# Altium PCB STM32F207VC_Mini.PcbDoc
Units mm, origin at the board's own origin, x right, y up, seen from the top; angles counter-clockwise.
Board outline 70 x 86 mm, 2 copper layers (Top Layer, Bottom Layer); 59 components, 106 nets, 318 pads, 47 vias.
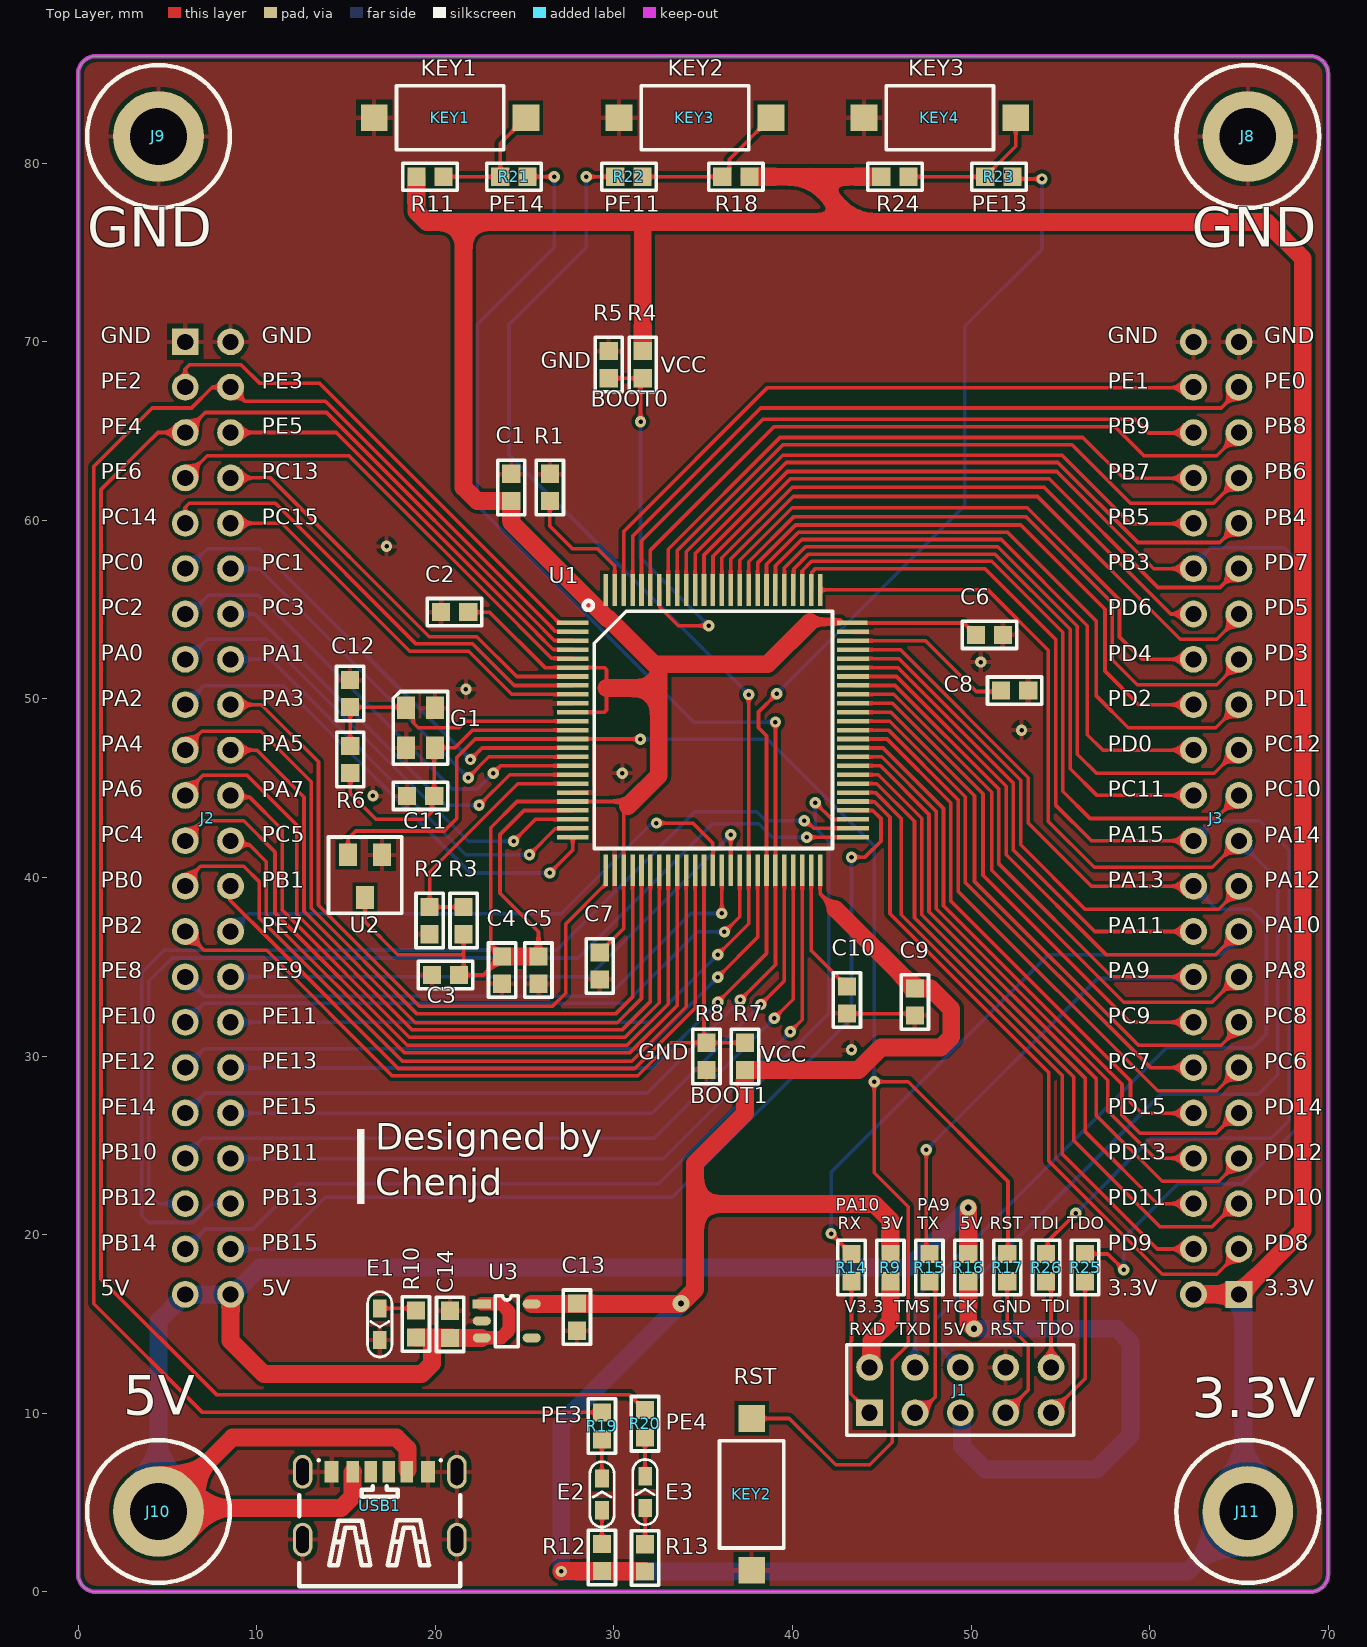
[diagram p0: Top Layer view]
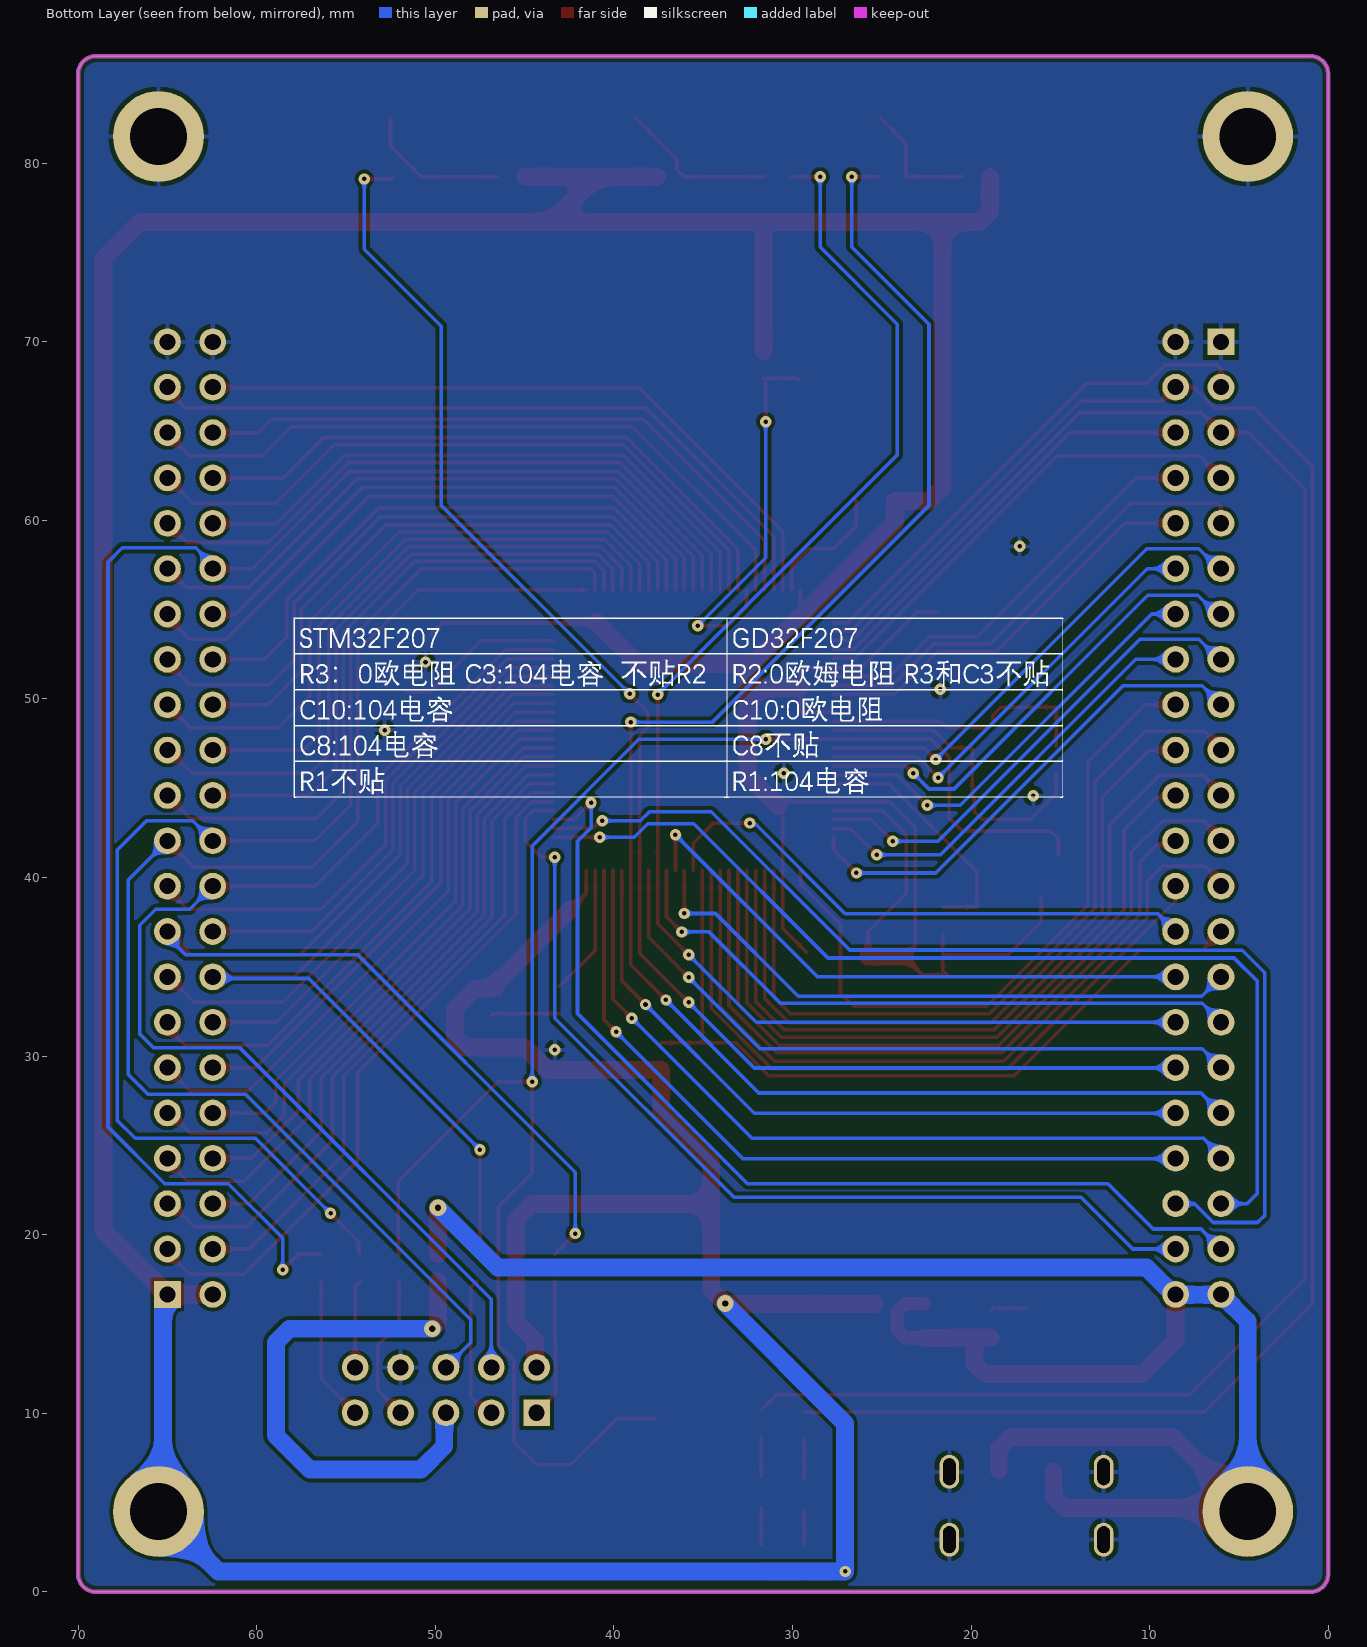
[diagram p1: Bottom Layer view, seen from below]

## Layer stack, top to bottom
Top Solder: solder mask 0.0102, Solder Resist, Dk 3.5
Top Layer: signal copper 0.0356
Dielectric 1: dielectric 0.32, FR-4, Dk 4.8
Bottom Layer: signal copper 0.0356
Bottom Solder: solder mask 0.0102, Solder Resist, Dk 3.5

## Board outline
0,1 0,85 cw(c1,85) 1,86 69,86 cw(c69,85) 70,85 70,1 cw(c69,1) 69,0 1,0 cw(c1,1)

## Design rules (kind name [scope] priority, off if disabled: settings)
Clearance [All] p1: gap=0.203 ignorepadtopadclearanceinfootprint=FALSE except(0: Arc-Hole Track-Hole SMDPad-Hole THPad-Hole Via-Hole Fill-Hole Poly-Hole Region-Hole Text-Hole)
PolygonConnect [All] p1: connectstyle=Relief reliefconductorwidth=0.254 reliefentries=4 polygonreliefangle="90 Angle" airgapwidth=0.254
RoutingVias [All] p1: holewidth=0.2 width=0.5 viastyle="Through Hole" minholewidth=0.711 minwidth=1.27 maxholewidth=0.711 maxwidth=1.27
SolderMaskExpansion [All] p1: expansion=0.102 istentingtop=FALSE
Width [All] p1: maxlimit=1.203 minlimit=0.203 preferedwidth=0.203
30 further rules are at their usual default settings.

## Components (designator, comment, footprint, x,y, rotation, side; value= is the part's Value field where it differs from the comment)
C1 "4.7u" 0603 24.251,61.103 r90 top
C2 "104" 0603 20.337,54.869 r0 top
C3 "104" 0603 19.829,34.549 r0 top
C4 "105" 0603 23.749,35.559 r270 top
C5 "104" 0603 25.781,35.559 r270 top
C6 "104" 0603 50.292,53.593 r0 top
C7 "104" 0603 29.216,35.796 r270 top
C8 "2.2u" 0603 53.189,50.464 r180 top
C9 "104" 0603 46.863,33.781 r270 top
C10 "2.2u" 0603 43.047,32.401 r90 top
C11 "18pF" 0603 18.432,44.582 r0 top
C12 "18pF" 0603 15.24,51.053 r270 top
C13 "10uF" 0603 27.94,16.129 r270 top
C14 "10uF" 0603 20.822,14.24 r90 top
E1 "LED" LED_0603L 16.891,16.128 r270 top
E2 "LED" LED_0603L 29.337,4.318 r90 top
E3 "LED" LED_0603L 31.75,4.445 r90 top
G1 "25MHz(无源贴片)" G3225 19.177,48.386 r270 top
J1 "Pin HDR2X5" "PIN HDR2X5/2.54MM-S" 44.323,10.033 r0 top
J2 "Pin HDR2X22" "PIN HDR2X22/2.54MM-W" 6,70 r270 top
J3 "Pin HDR2X22" "PIN HDR2X22/2.54MM-W" 65,16.66 r90 top
J8 "J?" 固定柱 65.5,81.5 r0 top
J9 "J?" 固定柱 4.5,81.5 r0 top
J10 "J?" 固定柱 4.5,4.5 r0 top
J11 "J?" 固定柱 65.5,4.5 r0 top
KEY1 "H-3650AADW(NC)" SW_PB_2P 20.828,82.549 r180 top value=SW_PB_2P
KEY2 "H-3650AADW(NC)" SW_PB_2P 37.719,5.461 r270 top value=SW_PB_2P
KEY3 "H-3650AADW(NC)" SW_PB_2P 34.544,82.549 r180 top value=SW_PB_2P
KEY4 "H-3650AADW(NC)" SW_PB_2P 48.26,82.549 r180 top value=SW_PB_2P
R1 "0" 0603 26.41,61.103 r90 top
R2 "0" 0603 19.679,36.846 r90 top
R3 "0" 0603 21.584,36.846 r90 top
R4 "1k" 0603 31.623,69.468 r270 top
R5 "1k" 0603 29.718,69.468 r270 top
R6 "1M" 0603 15.234,45.863 r90 top
R7 "1K" 0603 37.338,29.241 r90 top
R8 "1k" 0603 35.179,29.241 r90 top
R9 "0" 0603 45.481,17.416 r90 top
R10 "1K" 0603 18.923,15.747 r270 top
R11 "1k" 0603 20.447,79.235 r180 top
R12 "1k" 0603 29.337,2.667 r270 top
R13 "1k" 0603 31.756,2.65 r270 top
R14 "0" 0603 43.313,18.906 r270 top
R15 "0" 0603 47.673,18.906 r270 top
R16 "0" 0603 49.853,18.906 r270 top
R17 "0" 0603 52.034,18.906 r270 top
R18 "1k" 0603 36.085,79.247 r0 top
R19 "0" 0603 29.337,10.033 r270 top
R20 "0" 0603 31.75,10.16 r270 top
R21 "0" 0603 25.146,79.235 r180 top
R22 "0" 0603 30.099,79.247 r0 top
R23 "0" 0603 52.307,79.235 r180 top
R24 "1k" 0603 46.482,79.235 r180 top
R25 "0" 0603 56.394,18.906 r270 top
R26 "0" 0603 54.202,17.416 r90 top
U1 "STM32F207VCT6" LQFP-100 35.56,48.259 r0 top
U2 "MAX809" SOT32-809 15.118,41.287 r270 top
U3 "SPX3819" SOT-23-5 22.606,16.124 r0 top
USB1 "TYPE-C 6P(073)" USB-C-6P 16.891,4.826 r0 top

## Footprints (in the part's own frame and the unit in brackets; to place one, negate y for a bottom-side part, rotate by r counter-clockwise, add the part's x,y. Pads: shape width x height; smd on the part's side, far side on the other; paste and mask are expansions set on the pad)
0603 [mil] "0603封装"
  rect 40x40 smd: 1(-0.68,-0.23) 2(59.32,-0.23)
  silkscreen extent -31,-30 89,30, body extent -1,-16 62,16, height 18
G3225 [mil] "3225贴片晶振"
  rect 50x40 smd: 1(-44,-32) 2(44,-32) 3(44,32) 4(-44,32)
  silkscreen extent -80,-60 80,60, body extent -63,-49 63,49, height 32
LED_0603L [mil] "LED"
  rect 40x30 smd: 1(10,0) 2(80,0)
  silkscreen extent -27,-27 117,27, body extent 14,-16 77,16, height 24
LQFP-100 [mil]
  rect 70x10 smd: 1(-309.5,236.22) 2(-309.5,216.53) 3(-309.5,196.85) 4(-309.5,177.16) 5(-309.5,157.48) 6(-309.5,137.79) 7(-309.5,118.11) 8(-309.5,98.42) 9(-309.5,78.74) 10(-309.5,59.05) 11(-309.5,39.37) 12(-309.5,19.68) 13(-309.5,0) 14(-309.5,-19.69) 15(-309.5,-39.37) 16(-309.5,-59.06) 17(-309.5,-78.74) 18(-309.5,-98.43) 19(-309.5,-118.11) 20(-309.5,-137.8) 21(-309.5,-157.48) 22(-309.5,-177.17) 23(-309.5,-196.85) 24(-309.5,-216.54) 25(-309.5,-236.22) 51(308.61,-236.22) 52(308.61,-216.54) 53(308.61,-196.85) 54(308.61,-177.17) 55(308.61,-157.48) 56(308.61,-137.8) 57(308.61,-118.11) 58(308.61,-98.43) 59(308.61,-78.74) 60(308.61,-59.06) 61(308.61,-39.37) 62(308.61,-19.69) 63(308.61,0) 64(308.61,19.68) 65(308.61,39.37) 66(308.61,59.05) 67(308.61,78.74) 68(308.61,98.42) 69(308.61,118.11) 70(308.61,137.79) 71(308.61,157.48) 72(308.61,177.16) 73(308.61,196.85) 74(308.61,216.53)
  rect 10x70 smd: 26(-236.67,-309.06) 27(-216.98,-309.06) 28(-197.3,-309.06) 29(-177.61,-309.06) 30(-157.93,-309.06) 31(-138.24,-309.06) 32(-118.55,-309.06) 33(-98.87,-309.06) 34(-79.18,-309.06) 35(-59.5,-309.06) 36(-39.82,-309.06) 37(-20.13,-309.06) 38(-0.45,-309.06) 39(19.24,-309.06) 40(38.93,-309.06) 41(58.61,-309.06) 42(78.3,-309.06) 43(97.98,-309.06) 44(117.66,-309.06) 45(137.35,-309.06) 46(157.03,-309.06) 47(176.72,-309.06) 48(196.41,-309.06) 49(216.09,-309.06) 50(235.78,-309.06) 76(235.78,309.05) 77(216.09,309.05) 78(196.41,309.05) 79(176.72,309.05) 80(157.04,309.05) 81(137.35,309.05) 82(117.67,309.05) 83(97.98,309.05) 84(78.3,309.05) 85(58.61,309.05) 86(38.93,309.05) 87(19.24,309.05) 88(-0.44,309.05) 89(-20.13,309.05) 90(-39.81,309.05) 91(-59.5,309.05) 92(-79.18,309.05) 93(-98.87,309.05) 94(-118.55,309.05) 95(-138.24,309.05) 96(-157.93,309.05) 97(-177.61,309.05) 98(-197.3,309.05) 99(-216.98,309.05) 100(-236.66,309.05)
  rect 68x10 smd: 75(306.61,236.22)
  silkscreen extent -285,-261 263,285, body extent -316,-321 315,309, height 57
"PIN HDR2X5/2.54MM-S" [mm] "Connector; Header; 5x2 Position"
  rect 1.5x1.5 hole 0.9: 1(0,0)
  round 1.5 hole 0.9: 2(0,2.54) 3(2.54,0) 4(2.54,2.54) 5(5.08,0) 6(5.08,2.54) 7(7.62,0) 8(7.62,2.54) 9(10.16,0) 10(10.16,2.54)
  silkscreen extent -1.27,-1.27 11.43,3.81, body extent -1.27,-10 11.43,2.89, height 5.08
"PIN HDR2X22/2.54MM-W" [mm] "Connector; Header; 22x2 Position; Right Angle"
  rect 1.5x1.5 hole 0.9: 1(0,0)
  round 1.5 hole 0.9: 2(0,2.54) 3(2.54,0) 4(2.54,2.54) 5(5.08,0) 6(5.08,2.54) 7(7.62,0) 8(7.62,2.54) 9(10.16,0) 10(10.16,2.54) 11(12.7,0) 12(12.7,2.54) 13(15.24,0) 14(15.24,2.54) 15(17.78,0) 16(17.78,2.54) 17(20.32,0) 18(20.32,2.54) 19(22.86,0) 20(22.86,2.54) 21(25.4,0) 22(25.4,2.54) 23(27.94,0) 24(27.94,2.54) 25(30.48,0) 26(30.48,2.54) 27(33.02,0) 28(33.02,2.54) 29(35.56,0) 30(35.56,2.54) 31(38.1,0) 32(38.1,2.54) 33(40.64,0) 34(40.64,2.54) 35(43.18,0) 36(43.18,2.54) 37(45.72,0) 38(45.72,2.54) 39(48.26,0) 40(48.26,2.54) 41(50.8,0) 42(50.8,2.54) 43(53.34,0) 44(53.34,2.54)
  body extent -1.27,-1.27 54.61,3.81, height 7.58
SOT32-809 [mil] "ESD"
  rect 50x40 smd: 1(0.52,74.8) 2(0.52,0) 3(94.43,37.4)
  silkscreen extent -39,-43 129,118, body extent 5,-24 96,94, height 28
SOT-23-5 [mil] "SPX3819"
  rect 40x20 smd: 1(0,0)
  oval 40x20 smd: 2(0,-37.4) 3(0,-74.8) 4(110,-74.8) 5(110,0)
  silkscreen extent 30,-94 81,18, body extent -13,-100 125,18, height 43
SW_PB_2P [mm] "2脚贴片按钮"
  rect 1.5x1.5 smd: 1(-4.25,0) 2(4.25,0)
  silkscreen extent -3,-1.8 3,1.8, body extent -3.28,-1.57 3.32,1.63, height 1.9
USB-C-6P [mm] "USB type C 6P"
  oval 1.1x1.9 hole 0.7 slot 1.5 at 90 deg: 7(-4.32,-1.9) 7(-4.32,1.9) 7(4.32,-1.9) 7(4.32,1.9)
  rect 0.7x1.2 smd: A5(-0.5,1.9) A9(1.5,1.9) B5(0.5,1.9) B9(-1.5,1.9)
  rect 0.8x1.2 smd: A12(2.7,1.9) B12(-2.7,1.9)
  silkscreen extent -4.5,-4.5 4.5,2.55, body extent -4.4,-4.49 4.54,2.31, height 4.06
固定柱 [mm] "固定柱"
  round 5.08 hole 3.175: 1(0,0)
  silkscreen extent -4,-4 4,4, body extent -2.7,-2.35 2.7,2.35, height 10.05

## Part data
C1 C2 C3 C4 C5 C6 C7 C8 C9 C10: library part CAP, "贴片电容"
C11 C12: library part CAP, "无极电容"
C13 C14: library part "CAP Nonpolarity", "无极电容"
E1 E2 E3: "LED灯"
G1: library part MM-11B, "无源晶振MCU使用"
J8 J9 J10 J11: library part 固定柱, "固定柱"
KEY1 KEY2 KEY3 KEY4: library part SW_PB_2P, "贴片按钮-2PIN(NC)", Manufacturer=?, CLASS=IO, Manufacturer_Part_Number=?, MFG_NAME01=?, MFG_PN01=?, PCB DECAL=SWEVQPA, Source_Path=E:\PROJECT\FREESCALE\IMX6\SCH\IMX_LIBRARY.OLB
R1 R2 R3 R4 R5 R6 R7 R8 R9 R10 R11 R12 R13 R14 R15 R16 R17 R18 R19 R20 R21 R22 R23 R24 R25 R26: library part R, "电阻"
U1: library part STM32F207-1
U2: "复位IC"
U3: "稳压器"
USB1: library part "USB-TYPE-C 6P", "6脚usb type-c接口", BOM_Manufacturer="SHOU HAN", BOM_Manufacturer Part="TYPE-C 6P(073)", BOM_Supplier=LCSC, BOM_Supplier Part=C668623, Contributor=LCSC, spicePre=U, spiceSymbolName="TYPE-C 6P(073)"

## Via types
v1: diameter 0.635, hole 0.254, Top Layer to Bottom Layer, tented both sides, 44 vias
v2: diameter 0.935, hole 0.354, Top Layer to Bottom Layer, tented both sides, 3 vias

## Nets (pads, with @x,y where several pads share a name; then routed paths per layer and width w, separated by ;. In a path a pad name is that pad's centre, name@x,y a point inside that pad or via, vN(x,y) a via of type N, cw(c..) or ccw(c..) an arc to the next point about the centre after c; other vN are vias at no path point)
BOOT0: R4.2 R5.2 U1.94 | length 21.7
  Top Layer w0.203: R5.2@29.628,67.877 R5.2 R4.2 31.496,67.84 v1(31.496,65.532) ; U1.94 32.574,56.084 32.574,55.137 33.609,54.102 v1(35.306,54.102)
  Bottom Layer w0.203: v1(31.496,65.532) 31.496,57.912 v1(35.306,54.102)
BOOT1: J2.27 R7.2 R8.2 U1.37 | length 45.2
  Top Layer w0.203: J2.27 7.055,35.925 10.557,35.925 17.578,28.904 31.338,28.904 33.181,30.748 R8.2 ; U1.37 35.049,30.884 R8.2 ; R7.2 R8.2
GND: C1.2 C2.1 C3.1 C4.2 C5.2 C6.2 C7.2 C8.1 C9.2 C10.1 C11.1 C12.1 C13.2 C14.2 E1.2 G1.2 G1.4 J1.8 J2.1 J2.2 J3.43 J3.44 J8.1 J9.1 KEY1.2 KEY2.2 KEY3.2 KEY4.2 R1.2 R2.1 R5.1 R8.1 U1.10 U1.20 U1.27 U1.74 U2.1 U3.2 USB1.7 USB1.A12 USB1.B12 | length 3.8
  Top Layer w0.203: C10.1 46.747,32.384 C9.2
  other v1: 43.307,30.352 16.51,44.576 30.48,45.846 52.832,48.259 21.717,50.545 50.546,52.069 17.272,58.546
Jlink_TCK: J1.6 J3.21 U1.76 | length 78.2
  Top Layer w0.203: U1.76 50.951,56.109 54.331,52.729 54.331,43.138 56.893,40.575 63.515,40.575 J3.21
  Bottom Layer w0.203: J1.6 48.006,13.97 48.006,15.24 60.641,27.875 66.105,27.875 67.183,28.953 67.183,39.877 J3.21
Jlink_TDI: J3.22 R26.2 U1.77 | length 72.9
  Top Layer w0.203: U1.77 41.074,56.134 41.074,57.081 41.295,57.303 50.773,57.303 54.737,53.339 54.737,44.069 56.746,42.06 J3.22 ; R26.2 54.288,19.003 54.288,19.617 v1(55.865,21.194)
  Bottom Layer w0.203: v1@55.88,21.209 59.944,25.273 59.944,25.281 60.063,25.4 66.802,25.4 67.818,26.416 67.818,41.529 66.167,43.18 63.58,43.18 J3.22
Jlink_TDO: J3.34 R25.1 U1.89 | length 88.6
  Top Layer w0.203: U1.89 35.049,58.061 39.725,62.737 54.797,62.737 60.234,57.3 J3.34 ; R25.1 57.658,18.923 v1(58.547,18.034)
  Bottom Layer w0.203: v1(58.547,18.034) 58.547,19.812 61.595,22.86 65.151,22.86 68.326,26.035 68.326,57.658 67.521,58.463 63.416,58.463 62.46,57.507 J3.34
Jlink_TMS: J1.4 J3.20 U1.72 | length 66.8
  Top Layer w0.203: U1.72 46.048,52.759 53.213,45.594 53.213,43.052 56.745,39.52 J3.20
  Bottom Layer w0.203: J1.4 46.863,16.383 60.96,30.48 65.786,30.48 66.548,31.242 66.548,37.338 65.659,38.227 63.753,38.227 J3.20
KEY1: J2.35 R21.1 U1.45 | length 93.5
  Top Layer w0.203: R21.1 25.169,79.247 v1(26.67,79.247) ; v1(37.084,33.146) 39.049,35.111 U1.45 v1(39.049,48.707)
  Bottom Layer w0.203: J2.35 7.12,27.94 31.878,27.94 v1(37.084,33.146) ; v1(26.67,79.247) 26.67,75.31 22.352,70.992 22.352,60.832 34.477,48.707 v1(39.049,48.707)
KEY2: J2.32 R22.1 U1.42 | length 82.1
  Top Layer w0.203: v1(28.448,79.247) 30.076,79.247 R22.1 ; v1(35.814,35.686) 37.549,37.421 U1.42 v1(37.549,50.248)
  Bottom Layer w0.203: J2.32 32.028,31.9 v1(35.814,35.686) ; v1(28.448,79.247) 28.448,75.31 24.13,70.992 24.13,63.666 v1(37.549,50.248)
KEY3: J2.34 R23.1 U1.44 | length 84.5
  Top Layer w0.203: v1(35.814,33.019) 38.549,35.754 U1.44 38.549,44.481 38.547,44.482 38.547,47.939 38.1,48.386 38.1,49.275 v1(39.116,50.291) ; R23.1 52.445,79.12 v1(53.975,79.12)
  Bottom Layer w0.203: J2.34 8.563,29.337 32.132,29.337 v1(35.814,33.019) ; v1(39.116,50.291) 49.657,60.832 49.657,70.865 53.975,75.183 v1(53.975,79.12)
MCU_LED: J2.5 R20.1 U1.3 | length 111.2
  Top Layer w0.203: U1.3 27.673,53.284 26.652,53.284 26.099,53.837 26.099,53.85 13.909,66.04 7.12,66.04 J2.5 4.468,64.92 3.682,64.134 1.283,61.735 1.283,17.512 7.746,11.049 30.872,11.049 R20.1
MCU_LED2: J2.4 R19.1 U1.2 | length 112.2
  Top Layer w0.203: U1.2 27.673,53.784 26.726,53.784 26.505,54.006 26.505,54.019 13.848,66.675 9.325,66.675 J2.4 7.516,67.46 6.35,66.294 4.151,66.294 0.876,63.02 0.876,16.142 6.968,10.05 R19.1
MCU_RST: KEY2.1 R17.1 U1.14 U2.2 | length 95.1
  Top Layer w0.203: U2.2 15.118,42.168 15.555,42.605 20.508,42.605 21.209,43.306 21.209,46.726 22.242,47.759 U1.14 31.483,47.759 v1(31.491,47.751) ; KEY2.1 39.819,9.711 42.418,7.112 44.323,7.112 45.593,8.382 45.593,12.954 46.482,13.843 46.482,21.567 44.577,23.472 v1(44.577,28.574) 46.483,28.574 52.071,22.986 52.071,18.966 R17.1
  Bottom Layer w0.203: v1(31.491,47.751) 38.599,47.751 44.577,41.773 v1(44.577,28.574)
MCU_RXD: J3.17 R14.1 U1.69 | length 64.5
  Top Layer w0.203: v1(42.164,20.066) R14.1 ; U1.69 45.824,51.259 51.968,45.115 51.968,41.274 57.555,35.687 63.707,35.687 J3.17
  Bottom Layer w0.203: v1(42.164,20.066) 42.164,23.495 54.356,35.687 64.008,35.687 65,36.679 J3.17
MCU_TXD: J3.16 R15.1 U1.68 | length 53.4
  Top Layer w0.203: U1.68 45.749,50.759 51.562,44.946 51.562,40.766 57.888,34.44 J3.16 ; v1(47.498,24.765) 47.498,19.177 47.752,18.923 R15.1@47.625,18.796
  Bottom Layer w0.203: v1(47.498,24.765) 57.079,34.346 62.366,34.346 J3.16
NetC8_2: C8.2 U1.73 | length 9.5
  Top Layer w0.203: U1.73 47.451,53.259 50.292,50.418 51.631,50.418 C8.2
NetC10_2: C10.2 U1.49 | length 7.3
  Top Layer w0.203: U1.49 41.049,35.912 C10.2
NetE1_1: E1.1 R10.1 | length 2.1
  Top Layer w0.203: E1.1 18.807,15.874 R10.1
NetE2_1: E2.1 R12.1 | length 1.9
  Top Layer w0.203: R12.1 29.331,4.566 E2.1
NetE2_2: E2.2 R19.2 | length 2.2
  Top Layer w0.203: R19.2 29.331,6.356 E2.2
NetE3_1: E3.1 R13.1 | length 2
  Top Layer w0.203: R13.1 E3.1
NetE3_2: E3.2 R20.2 | length 2.2
  Top Layer w0.203: R20.2 31.744,6.483 E3.2
NetJ1_1: J1.1 R14.2 | length 7.8
  Top Layer w0.203: R14.2 43.307,14.06 43.268,14.021 43.268,11.088 J1.1
NetJ1_2: J1.2 R9.1 | length 5.3
  Top Layer w1: J1.2 44.419,12.669 44.419,14.066 45.487,15.134 R9.1
NetJ1_3: J1.3 R15.2 | length 8.1
  Top Layer w0.203: J1.3 47.117,10.033 48.006,10.922 48.006,17.06 R15.2
NetJ1_5: J1.5 R16.2 | length 29.8
  Top Layer w1: R16.2 49.847,15.05 v2(50.165,14.732)
  Bottom Layer w1: J1.5 49.499,9.937 49.499,8.159 50.8,6.858 57.023,6.858 58.928,8.763 58.928,13.97 58.166,14.732 v2(50.165,14.732)
NetJ1_7: J1.7 R17.2 | length 8.4
  Top Layer w0.203: J1.7 53.213,11.303 53.213,13.809 52.028,14.994 R17.2
NetJ1_9: J1.9 R25.2 | length 8.2
  Top Layer w0.203: J1.9 56.388,11.938 R25.2
NetJ1_10: J1.10 R26.1 | length 4.9
  Top Layer w0.203: R26.1 54.483,17.124 J1.10
NetKEY1_1: KEY1.1 R11.1 R21.2 | length 7.1
  Top Layer w0.203: R11.1 R21.2 23.639,81.11 KEY1.1
NetKEY3_1: KEY3.1 R18.1 R22.2 | length 8.9
  Top Layer w0.203: R22.2 R18.1 36.474,79.647 36.474,80.229 KEY3.1
NetKEY4_1: KEY4.1 R23.2 R24.1 | length 8.3
  Top Layer w0.203: R24.1 R23.2 52.51,80.951 KEY4.1
NetR1_1: R1.1 U1.99 | length 7.3
  Top Layer w0.203: R1.1 26.416,59.689 27.686,58.419 29.083,58.419 30.049,57.453 U1.99
NetR2_2: R2.2 R3.2 U1.19 | length 13.9
  Top Layer w0.203: R3.2 R2.2 19.685,40.318 24.626,45.259 U1.19
OSCIN: C12.2 G1.1 R6.2 U1.12 | length 15.5
  Top Layer w0.203: R6.2 15.234,47.376 C12.2 18.321,49.546 G1.1 18.771,49.097 18.771,48.665 19.05,48.386 21.336,48.386 21.709,48.759 U1.12
OSCOUT: C11.2 G1.3 R6.1 U1.13 | length 18.3
  Top Layer w0.203: R6.1 15.24,44.703 16.68,43.263 19.388,43.263 19.812,43.687 19.812,44.449 C11.2 19.939,47.218 G1.3 21.107,47.268 22.098,48.259 U1.13
PA0: J2.15 U1.23 | length 27.4
  Top Layer w0.203: v1(24.384,42.036) 25.607,43.259 U1.23
  Bottom Layer w0.203: J2.15 6.119,52.22 7.239,53.34 10.54,53.34 21.844,42.036 v1(24.384,42.036)
PA1: J2.16 U1.24 | length 24.3
  Top Layer w0.203: v1@25.273,41.274 v1(25.273,41.28) 26.726,42.734 27.673,42.734 U1.24
  Bottom Layer w0.203: J2.16 10.771,52.22 21.711,41.28 v1(25.273,41.28)
PA2: J2.17 U1.25 | length 27.7
  Top Layer w0.203: v1(26.416,40.258) 27.699,41.541 U1.25
  Bottom Layer w0.203: J2.17 7.055,50.735 11.494,50.735 21.971,40.258 v1(26.416,40.258)
PA3: J2.18 U1.26 | length 38.6
  Top Layer w0.203: J2.18 10.263,49.68 13.462,46.481 13.462,38.447 19.118,32.79 26.568,32.79 27.305,33.527 27.305,37.403 29.549,39.647 U1.26
PA4: J2.19 U1.29 | length 43.7
  Top Layer w0.203: J2.19 6,47.275 6.92,48.195 10.224,48.195 13.056,45.363 13.056,38.278 18.95,32.384 30.126,32.384 31.049,33.307 U1.29
PA5: J2.20 U1.30 | length 40.8
  Top Layer w0.203: J2.20 10.009,47.14 12.649,44.5 12.649,38.11 18.883,31.876 30.192,31.876 31.549,33.232 U1.30
PA6: J2.21 U1.31 | length 43.4
  Top Layer w0.203: J2.21 6,44.735 6.985,45.72 9.464,45.72 12.243,42.941 12.243,37.942 18.715,31.47 30.455,31.47 32.049,33.064 U1.31
PA7: J2.22 U1.32 | length 40.5
  Top Layer w0.203: J2.22 8.633,44.507 9.595,44.507 11.43,42.672 11.43,38.18 18.546,31.063 30.623,31.063 32.549,32.989 U1.32
PA8: J3.15 U1.67 | length 31.9
  Top Layer w0.203: U1.67 45.675,50.259 51.156,44.778 51.156,40.41 58.546,33.02 63.5,33.02 64.92,34.44 J3.15
PA11: J3.18 U1.70 | length 27.4
  Top Layer w0.203: U1.70 45.899,51.759 52.375,45.283 52.375,41.528 56.923,36.98 J3.18
PA12: J3.19 U1.71 | length 30.2
  Top Layer w0.203: U1.71 45.974,52.259 52.781,45.451 52.781,41.833 56.387,38.227 63.881,38.227 65,39.346 J3.19
PB0: J2.25 U1.35 | length 43.3
  Top Layer w0.203: J2.25 6,39.782 6.858,40.64 9.271,40.64 10.135,39.776 10.135,37.751 18.168,29.717 31.001,29.717 34.049,32.765 U1.35
PB1: J2.26 U1.36 | length 39.1
  Top Layer w0.203: 8.509,38.734 10.911,36.332 17.932,29.311 31.169,29.311 34.549,32.69 U1.36
PB4: J3.35 U1.90 | length 36.9
  Top Layer w0.203: U1.90 34.549,58.135 39.658,63.245 54.864,63.245 59.348,58.761 63.921,58.761 J3.35
PB5: J3.36 U1.91 | length 34.4
  Top Layer w0.203: U1.91 34.049,58.238 39.462,63.651 55.093,63.651 58.927,59.817 62.437,59.817 J3.36
PB6: J3.37 U1.92 | length 38.1
  Top Layer w0.203: U1.92 33.549,58.313 39.472,64.236 55.651,64.236 58.927,60.96 63.58,60.96 J3.37
PB7: J3.38 U1.93 | length 35.2
  Top Layer w0.203: U1.93 33.049,58.387 39.303,64.642 56.261,64.642 58.546,62.357 62.437,62.357 J3.38
PB8: J3.39 U1.95 | length 39.3
  Top Layer w0.203: U1.95@32.074,56.084 U1.95 32.049,58.338 38.964,65.253 58.064,65.253 59.69,63.627 63.754,63.627 65,64.873 J3.39
PB9: J3.40 U1.96 | length 36.8
  Top Layer w0.203: U1.96 31.549,58.854 38.354,65.659 59.182,65.659 59.944,64.897 62.437,64.897 J3.40
PB10: J2.37 U1.47 | length 45
  Top Layer w0.203: v1(38.989,32.13) 40.049,33.19 U1.47
  Bottom Layer w0.203: J2.37 6,24.423 6.977,25.4 32.259,25.4 v1(38.989,32.13)
PB11: J2.38 U1.48 | length 43.6
  Top Layer w0.203: v1(39.878,31.368) 40.549,32.039 U1.48
  Bottom Layer w0.203: J2.38 8.563,24.257 32.767,24.257 v1(39.878,31.368)
PB12: J2.39 U1.51 | length 57.5
  Top Layer w0.203: v1(40.798,42.259) U1.51
  Bottom Layer w0.203: J2.39 4.549,21.74 3.962,22.327 3.962,34.188 5.269,35.495 28.003,35.495 35.52,43.012 38.11,43.012 38.863,42.259 v1(40.798,42.259)
PB13: J2.40 U1.52 | length 63.1
  Top Layer w0.203: v1(40.653,43.179) 40.767,43.179 41.187,42.759 U1.52
  Bottom Layer w0.203: J2.40 8.533,21.733 7.485,21.733 6.437,20.685 3.953,20.685 3.683,20.955 3.675,20.955 3.556,21.074 3.556,34.671 4.81,35.925 16.173,35.925 16.188,35.941 26.798,35.941 34.544,43.687 38.009,43.687 38.517,43.179 v1(40.653,43.179)
PB14: J2.41 U1.53 | length 56.1
  Top Layer w0.203: v1(41.275,44.195) 42.211,43.259 U1.53
  Bottom Layer w0.203: J2.41 7.12,20.32 9.794,20.32 12.333,22.859 32.512,22.859 42.037,32.384 42.037,42.036 41.275,42.798 v1(41.275,44.195)
PB15: J2.42 U1.54 | length 54.2
  Top Layer w0.203: v1(43.307,41.147) 44.069,41.147 44.958,42.036 44.958,43.306 44.505,43.759 U1.54
  Bottom Layer w0.203: J2.42 10.946,19.2 13.843,22.097 33.274,22.097 43.307,32.13 v1(43.307,41.147)
PC0: J2.11 U1.15 | length 27.3
  Top Layer w0.203: v1(21.971,46.608) 22.622,47.259 U1.15
  Bottom Layer w0.203: J2.11 6.119,57.3 7.239,58.42 10.159,58.42 v1(21.971,46.608)
PC1: J2.12 U1.16 | length 24.5
  Top Layer w0.203: v1(21.844,45.592) 21.844,45.601 23.002,46.759 U1.16
  Bottom Layer w0.203: J2.12 10.136,57.3 v1(21.844,45.592)
PC2: J2.13 U1.17 | length 27.5
  Top Layer w0.203: v1(23.241,45.846) 23.654,46.259 U1.17
  Bottom Layer w0.203: J2.13 6.246,54.76 7.301,55.815 10.097,55.815 20.955,44.957 22.352,44.957 v1(23.241,45.846) ; J2.13@6.217,54.857 J2.13@6.477,55.117
PC3: J2.14 U1.18 | length 24.3
  Top Layer w0.203: v1(22.453,44.042) 24.17,45.759 U1.18
  Bottom Layer w0.203: J2.14 9.882,54.76 20.6,44.042 v1(22.453,44.042)
PC4: J2.23 U1.33 | length 43.3
  Top Layer w0.203: J2.23 6,42.195 6.985,43.18 9.27,43.18 11.024,41.426 11.024,38.011 18.429,30.606 30.74,30.606 33.049,32.914 U1.33
PC5: J2.24 U1.34 | length 40.3
  Top Layer w0.203: J2.24 8.761,41.839 9.595,41.839 10.541,40.893 10.541,37.919 18.261,30.2 30.909,30.2 33.549,32.839 U1.34
PC6: J3.11 U1.63 | length 33.5
  Top Layer w0.203: U1.63 45.376,48.259 49.276,44.359 49.276,39.242 60.451,28.067 63.754,28.067 65,29.313 J3.11
PC7: J3.12 U1.64 | length 29.9
  Top Layer w0.203: U1.64 45.451,48.759 49.682,44.527 49.682,39.725 60.047,29.36 J3.12
PC8: J3.13 U1.65 | length 32.9
  Top Layer w0.203: U1.65 45.525,49.259 50.198,44.586 50.198,39.783 59.375,30.607 64.016,30.607 65,31.591 J3.13
PC9: J3.14 U1.66 | length 29.1
  Top Layer w0.203: U1.66 45.6,49.759 50.673,44.686 50.673,40.131 58.904,31.9 J3.14
PC10: J3.23 U1.78 | length 37.5
  Top Layer w0.203: U1.78 40.549,57.185 41.073,57.709 51.164,57.709 55.143,53.73 55.143,44.831 56.667,43.307 63.707,43.307 J3.23
PC11: J3.24 U1.79 | length 34.1
  Top Layer w0.203: U1.79 40.074,56.134 40.074,57.285 40.905,58.116 51.333,58.116 55.55,53.899 55.55,46.101 57.051,44.6 J3.24
PC12: J3.25 U1.80 | length 37.1
  Top Layer w0.203: U1.80 39.549,57.334 40.737,58.522 51.501,58.522 55.956,54.067 55.956,46.913 57.022,45.847 63.627,45.847 64.92,47.14 J3.25
PC13: J2.8 U1.7 | length 23.8
  Top Layer w0.203: J2.8 10.771,62.38 19.66,53.491 22.327,53.491 24.559,51.259 U1.7
PC14: J2.9 U1.8 | length 26.9
  Top Layer w0.203: J2.9 6,60.737 6.223,60.96 11.048,60.96 18.923,53.085 22.098,53.085 24.424,50.759 U1.8
PC15: J2.10 U1.9 | length 23.1
  Top Layer w0.203: J2.10 11.406,59.84 18.567,52.679 21.869,52.679 24.289,50.259 U1.9
PD0: J3.26 U1.81 | length 33.8
  Top Layer w0.203: U1.81 39.049,57.463 40.514,58.928 51.688,58.928 56.515,54.101 56.515,48.005 57.38,47.14 J3.26
PD1: J3.27 U1.82 | length 36.1
  Top Layer w0.203: U1.82 38.549,57.537 40.346,59.335 52.043,59.335 57.023,54.355 57.023,50.164 58.8,48.387 63.707,48.387 J3.27
PD2: J3.28 U1.83 | length 33
  Top Layer w0.203: U1.83 38.049,57.612 40.178,59.741 52.78,59.741 57.501,55.02 57.501,51.562 59.383,49.68 J3.28
PD3: J3.29 U1.84 | length 36.5
  Top Layer w0.203: U1.84 37.549,57.687 40.059,60.197 53.086,60.197 57.907,55.376 57.907,52.197 59.304,50.8 63.754,50.8 65,52.046 J3.29
PD4: J3.30 U1.85 | length 33
  Top Layer w0.203: U1.85 37.049,57.762 39.992,60.705 53.153,60.705 58.314,55.544 58.314,53.467 59.561,52.22 J3.30
PD5: J3.31 U1.86 | length 35.6
  Top Layer w0.203: U1.86 36.549,57.836 40.052,61.34 53.721,61.34 61.721,53.34 63.754,53.34 65,54.586 J3.31
PD6: J3.32 U1.87 | length 32.8
  Top Layer w0.203: U1.87 36.049,57.911 39.986,61.848 54.103,61.848 61.191,54.76 J3.32
PD7: J3.33 U1.88 | length 36.1
  Top Layer w0.203: U1.88 35.549,57.986 39.893,62.331 54.382,62.331 60.468,56.245 63.945,56.245 J3.33
PD8: J3.3 U1.55 | length 39.3
  Top Layer w0.203: U1.55 43.411,44.246 44.593,44.246 45.466,43.373 45.466,37.973 54.356,29.083 54.356,24.129 60.705,17.78 63.754,17.78 65,19.026 J3.3
PD9: J3.4 U1.56 | length 35.4
  Top Layer w0.203: U1.56 44.655,44.759 46.101,43.312 46.101,37.913 55.118,28.896 55.118,24.51 60.428,19.2 J3.4
PD10: J3.5 U1.57 | length 37.7
  Top Layer w0.203: U1.57 44.729,45.259 46.838,43.151 46.838,37.751 55.753,28.835 55.753,25.272 60.578,20.447 63.5,20.447 64.793,21.74 J3.5
PD11: J3.6 U1.58 | length 33.9
  Top Layer w0.203: U1.58 44.804,45.759 47.244,43.319 47.244,37.919 56.388,28.775 56.388,25.78 60.428,21.74 J3.6
PD12: J3.7 U1.59 | length 36.3
  Top Layer w0.203: U1.59 44.926,46.259 47.65,43.535 47.65,38.088 57.023,28.715 57.023,26.669 60.705,22.987 63.881,22.987 65,24.106 J3.7
PD13: J3.8 U1.60 | length 32.6
  Top Layer w0.203: U1.60 45.001,46.759 48.057,43.703 48.057,38.256 57.658,28.655 57.658,26.923 60.301,24.28 J3.8
PD14: J3.9 U1.61 | length 35.2
  Top Layer w0.203: U1.61 45.076,47.259 48.463,43.871 48.463,38.424 58.453,28.434 58.453,26.702 59.469,25.687 63.721,25.687 64.854,26.82 J3.9
PD15: J3.10 U1.62 | length 31.7
  Top Layer w0.203: U1.62 45.301,47.759 48.87,44.19 48.87,38.683 58.928,28.625 58.928,27.431 59.562,26.797 62.437,26.797 J3.10
PE0: J3.41 U1.97 | length 40.5
  Top Layer w0.203: U1.97 31.049,59.116 38.227,66.294 64.008,66.294 65,67.286 J3.41
PE1: J3.42 U1.98 | length 38.5
  Top Layer w0.203: U1.98 30.549,59.378 38.608,67.437 62.437,67.437 J3.42
PE2: J2.3 U1.1 | length 28.8
  Top Layer w0.203: J2.3 6,68.484 6.223,68.707 9.143,68.707 10.159,67.691 13.505,67.691 26.937,54.259 U1.1
PE5: J2.6 U1.4 | length 24.2
  Top Layer w0.203: J2.6 14.454,64.92 25.692,53.682 25.692,53.669 26.577,52.784 27.673,52.784 U1.4
PE6: J2.7 U1.5 | length 26.9
  Top Layer w0.203: J2.7 6,62.403 7.224,63.627 15.172,63.627 24.668,54.131 24.668,54.118 26.505,52.282 27.676,52.282 U1.5
PE7: J2.28 U1.38 | length 31.5
  Top Layer w0.203: v1(32.385,43.052) 34.417,43.052 35.549,41.92 U1.38
  Bottom Layer w0.203: J2.28 9.532,37.972 27.051,37.972 32.004,42.925 32.004,42.933 32.04,42.969 32.302,42.969 v1(32.385,43.052)
PE8: J2.29 U1.39 | length 34.8
  Top Layer w0.203: v1(36.049,37.991) U1.39
  Bottom Layer w0.203: J2.29 7.079,33.361 29.678,33.361 34.308,37.991 v1(36.049,37.991)
PE9: J2.30 U1.40 | length 33.3
  Top Layer w0.203: U1.40 v1(36.549,42.39)
  Bottom Layer w0.203: J2.30 28.599,34.44 v1(36.549,42.39)
PE10: J2.31 U1.41 | length 36.1
  Top Layer w0.203: v1(36.195,36.956) 37.049,37.81 U1.41
  Bottom Layer w0.203: J2.31 7.055,32.955 30.669,32.955 34.67,36.956 v1(36.195,36.956)
PE12: J2.33 U1.43 | length 38.8
  Top Layer w0.203: v1(35.814,34.416) 38.049,36.651 U1.43
  Bottom Layer w0.203: J2.33 7.055,30.415 31.813,30.415 v1(35.814,34.416)
PE15: J2.36 U1.46 | length 40.3
  Top Layer w0.203: v1(38.227,32.892) 39.549,34.214 U1.46
  Bottom Layer w0.203: J2.36 8.563,26.797 32.132,26.797 v1(38.227,32.892)
VCC3.3: C1.1 C2.2 C3.2 C4.1 C5.1 C6.1 C7.1 C9.1 C13.1 J3.1 J3.2 J11.1 R3.1 R4.1 R7.1 R9.2 R11.2 R12.2 R13.2 R18.2 R24.2 U1.6 U1.11 U1.21 U1.22 U1.28 U1.50 U1.75 U1.100 U2.3 U3.5 | length 403.2
  Top Layer w0.203: U2.3 16.068,37.525 17.907,35.686 21.463,35.686 21.59,35.813 ; R3.1 21.59,35.813 ; C2.2 23.042,54.863 26.146,51.759 U1.6 29.472,51.759 29.591,51.64 29.591,49.378 29.472,49.259 U1.11 ; C5.1 25.775,36.962 23.622,39.115 23.622,42.417 24.964,43.759 U1.22 ; C7.1 30.549,37.152 U1.28 30.549,43.756 30.8,44.007 ; U1.100 29.549,54.599 29.63,54.517 ; U1.100@29.574,56.084 29.574,55.137 32.512,52.199 32.512,51.944 ; 31.052,44.259 U1.21 24.575,44.259 23.114,42.798 23.114,36.205 C4.1 22.71,34.543 C3.2 21.59,34.797 21.59,35.813 ; R13.2@31.733,1.16 R13.2 R13.2@31.877,1.016 ; U1.50 41.549,39.096 42.418,38.227 ; U1.75@42.644,54.259 U1.75 49.603,54.259 C6.1
  Top Layer w0.45: 40.979,54.314 U1.75@42.644,54.314
  Top Layer w1: R11.2 18.94,77.294 19.526,76.708 21.59,76.708 ; C4.1 C5.1 ; U3.5 33.742,16.124 v2(33.765,16.146) 34.544,16.926 34.544,21.717 ; v1(27.051,1.143) 27.068,1.16 R12.2 R13.2@31.733,1.16 ; 29.549,54.599 24.257,59.89 C1.1 22.353,61.086 21.59,61.849 21.59,76.708 ; 29.596,50.609 32.512,50.609 ; 29.63,54.517 29.684,54.517 32.512,51.689 ; 30.8,44.007 31.052,44.259 32.512,45.719 32.512,50.609 ; R4.1 31.617,76.595 31.504,76.708 ; R18.2 40.949,79.241 ; 40.979,54.314 38.609,51.944 32.512,51.944 32.512,50.609 ; 42.418,38.227 42.428,38.227 C9.1 46.865,33.79 47.743,33.79 48.895,32.638 48.895,31.066 48.309,30.48 44.958,30.48 43.702,29.224 R7.1 37.344,26.803 34.544,24.003 34.544,21.717 ; R24.2 40.949,79.241 ; R9.2 45.487,20.807 44.577,21.717 34.544,21.717 ; J3.2 J3.1 68.58,20.24 68.58,74.676 66.548,76.708 43.482,76.708 ; J11.1@65.25,4.75 J11.1 ; 21.59,76.708 31.504,76.708 ; 31.504,76.708 43.482,76.708 ; 40.949,79.241 43.482,76.708
  Bottom Layer w1: v2(33.765,16.146) 27.051,9.433 v1(27.051,1.143) 62.143,1.143 J11.1 65.25,4.75 65.25,16.41 J3.1
VCC5V: C14.1 J2.43 J2.44 J10.1 R10.2 R16.1 U3.1 U3.3 USB1.A9 USB1.B9 | length 115.2
  Top Layer w0.75: U3.3 23.691,14.224 24.13,14.663 24.13,15.69 23.691,16.129 22.611,16.129 U3.1
  Top Layer w1: J10.1 J10.1@4.699,4.699 ; J2.44 8.54,14.066 10.414,12.192 19.226,12.192 19.812,12.778 19.812,14.131 19.921,14.24 ; USB1.B9 15.367,6.702 15.367,5.334 14.732,4.699 J10.1@4.699,4.699 ; USB1.A9@18.444,6.826 18.444,8.021 17.829,8.636 8.636,8.636 J10.1@4.699,4.699 ; R10.2 19.921,14.24 ; U3.3@22.598,14.217 20.949,14.217 20.925,14.24 19.921,14.24 ; R16.1 v2(49.847,21.505)
  Bottom Layer w1: J10.1 4.5,15.16 J2.43 6.023,16.637 8.517,16.637 J2.44 8.675,16.66 10.176,18.161 46.503,18.161 v2(49.847,21.505)
pads on no net: U3.4 USB1.A5 USB1.B5

## Polygon pours and split planes (outlines as drawn)
GND on Top Layer "GND_L01_P000" (solid, remove dead copper, pour order 0): 0,0 69.977,0 70,0.023 70,85.956 69.956,86 0.021,86 0,85.979
GND on Bottom Layer "GND_L02_P001" (solid, remove dead copper, pour order 1): 0,0 69.977,0 70,0.023 70,85.956 69.956,86 0.021,86 0,85.979

## Keep-outs
Keep-Out Layer:
  the board outline again, w0.254

## Silkscreen, mask and mechanical layers (free items; w line width, h text height)
Top Overlay:
  rectangle: 15.621,21.716 16.027,25.907
  text "KEY3" at 46.482,84.599 h1.52
  text "KEY1" at 19.177,84.582 h1.52
  text "KEY2" at 33.02,84.582 h1.52
  text "PE14" at 22.987,76.989 h1.52
  text "PE11" at 29.464,76.989 h1.52
  text "PE13" at 50.038,76.989 h1.52
  text "GND" at 0.508,74.591 h3.81
  text "GND" at 62.357,74.591 h3.81
  text "GND" at 1.27,69.613 h1.52
  text "GND" at 10.287,69.613 h1.52
  text "GND" at 57.658,69.613 h1.52
  text "GND" at 66.423,69.613 h1.52
  text "GND" at 25.908,68.215 h1.52
  text "VCC" at 32.64,67.961 h1.52
  text "PE3" at 10.287,67.073 h1.52
  text "PE0" at 66.423,67.073 h1.52
  text "PE2" at 1.27,67.056 h1.52
  text "PE1" at 57.658,67.056 h1.52
  text "BOOT0" at 28.702,66.056 h1.52
  text "PE5" at 10.287,64.533 h1.52
  text "PB9" at 57.658,64.532 h1.52
  text "PB8" at 66.423,64.532 h1.52
  text "PE4" at 1.27,64.516 h1.52
  text "PE6" at 1.27,61.993 h1.52
  text "PC13" at 10.287,61.993 h1.52
  text "PB6" at 66.423,61.992 h1.52
  text "PB7" at 57.658,61.975 h1.52
  text "PC14" at 1.27,59.453 h1.52
  text "PC15" at 10.287,59.453 h1.52
  text "PB5" at 57.658,59.452 h1.52
  text "PB4" at 66.423,59.435 h1.52
  text "PC0" at 1.27,56.913 h1.52
  text "PC1" at 10.287,56.913 h1.52
  text "PB3" at 57.658,56.912 h1.52
  text "PD7" at 66.423,56.895 h1.52
  text "PC2" at 1.27,54.373 h1.52
  text "PC3" at 10.287,54.373 h1.52
  text "PD6" at 57.658,54.372 h1.52
  text "PD5" at 66.423,54.372 h1.52
  text "PA0" at 1.27,51.833 h1.52
  text "PD3" at 66.423,51.831 h1.52
  text "PA1" at 10.287,51.816 h1.52
  text "PD4" at 57.658,51.815 h1.52
  text "PA3" at 10.287,49.293 h1.52
  text "PA2" at 1.27,49.276 h1.52
  text "PD2" at 57.658,49.274 h1.52
  text "PD1" at 66.423,49.274 h1.52
  text "PA5" at 10.287,46.753 h1.52
  text "PD0" at 57.658,46.751 h1.52
  text "PC12" at 66.423,46.751 h1.52
  text "PA4" at 1.27,46.736 h1.52
  text "PA6" at 1.27,44.213 h1.52
  text "PC11" at 57.658,44.211 h1.52
  text "PC10" at 66.423,44.211 h1.52
  text "PA7" at 10.287,44.196 h1.52
  text "PC4" at 1.27,41.673 h1.52
  text "PC5" at 10.287,41.673 h1.52
  text "PA15" at 57.658,41.671 h1.52
  text "PA14" at 66.423,41.654 h1.52
  text "PB0" at 1.27,39.133 h1.52
  text "PA13" at 57.658,39.13 h1.52
  text "PB1" at 10.287,39.116 h1.52
  text "PA12" at 66.423,39.114 h1.52
  text "PA10" at 66.423,36.59 h1.52
  text "PB2" at 1.27,36.576 h1.52
  text "PE7" at 10.287,36.576 h1.52
  text "PA11" at 57.658,36.573 h1.52
  text "PE8" at 1.27,34.053 h1.52
  text "PE9" at 10.287,34.053 h1.52
  text "PA9" at 57.658,34.05 h1.52
  text "PA8" at 66.423,34.05 h1.52
  text "PE10" at 1.27,31.513 h1.52
  text "PC9" at 57.658,31.51 h1.52
  text "PC8" at 66.423,31.51 h1.52
  text "PE11" at 10.287,31.496 h1.52
  text "GND" at 31.369,29.48 h1.52
  text "VCC" at 38.228,29.353 h1.52
  text "PE13" at 10.287,28.973 h1.52
  text "PC7" at 57.658,28.97 h1.52
  text "PC6" at 66.423,28.97 h1.52
  text "PE12" at 1.27,28.956 h1.52
  text "BOOT1" at 34.29,27.067 h1.52
  text "PE15" at 10.287,26.433 h1.52
  text "PD15" at 57.658,26.429 h1.52
  text "PE14" at 1.27,26.416 h1.52
  text "PD14" at 66.423,26.413 h1.52
  text "Designed by" at 16.637,24.256 h2.54
  text "PB10" at 1.27,23.893 h1.52
  text "PD13" at 57.658,23.889 h1.52
  text "PB11" at 10.287,23.876 h1.52
  text "PD12" at 66.423,23.872 h1.52
  text "Chenjd" at 16.637,21.716 h2.54
  text "PB13" at 10.287,21.353 h1.52
  text "PD10" at 66.423,21.349 h1.52
  text "PB12" at 1.27,21.336 h1.52
  text "PD11" at 57.658,21.332 h1.52
  text "PA10" at 42.418,21.095 h1.2
  text "PA9" at 46.99,21.095 h1.2
  text "RX" at 42.545,20.066 h1.2
  text "3V" at 44.958,20.063 h1.2
  text "TX" at 46.99,20.066 h1.2
  text "5V" at 49.403,20.066 h1.2
  text "RST" at 51.054,20.053 h1.2
  text "TDI" at 53.34,20.066 h1.2
  text "TDO" at 55.386,20.053 h1.2
  text "PB15" at 10.287,18.813 h1.52
  text "PD9" at 57.658,18.809 h1.52
  text "PD8" at 66.423,18.809 h1.52
  text "PB14" at 1.27,18.796 h1.52
  text "5V" at 1.27,16.273 h1.52
  text "5V" at 10.287,16.273 h1.52
  text "3.3V" at 57.658,16.269 h1.52
  text "3.3V" at 66.423,16.269 h1.52
  text "V3.3" at 42.927,15.39 h1.2
  text "TMS" at 45.688,15.38 h1.2
  text "TCK" at 48.451,15.38 h1.2
  text "GND" at 51.213,15.38 h1.2
  text "TDI" at 53.975,15.394 h1.2
  text "RXD" at 43.18,14.124 h1.2
  text "TXD" at 45.815,14.124 h1.2
  text "5V" at 48.45,14.124 h1.2
  text "RST" at 51.086,14.11 h1.2
  text "TDO" at 53.721,14.11 h1.2
  text "RST" at 36.703,11.32 h1.52
  text "5V" at 2.54,9.186 h3.81
  text "PE3" at 25.894,9.161 h1.52
  text "3.3V" at 62.357,9.059 h3.81
  text "PE4" at 32.893,8.763 h1.52
Bottom Overlay:
  drawing of 8682 lines, arcs and shapes, not listed